# Altium PCB Main_Board.PcbDoc (part 1 of 19) (continued)
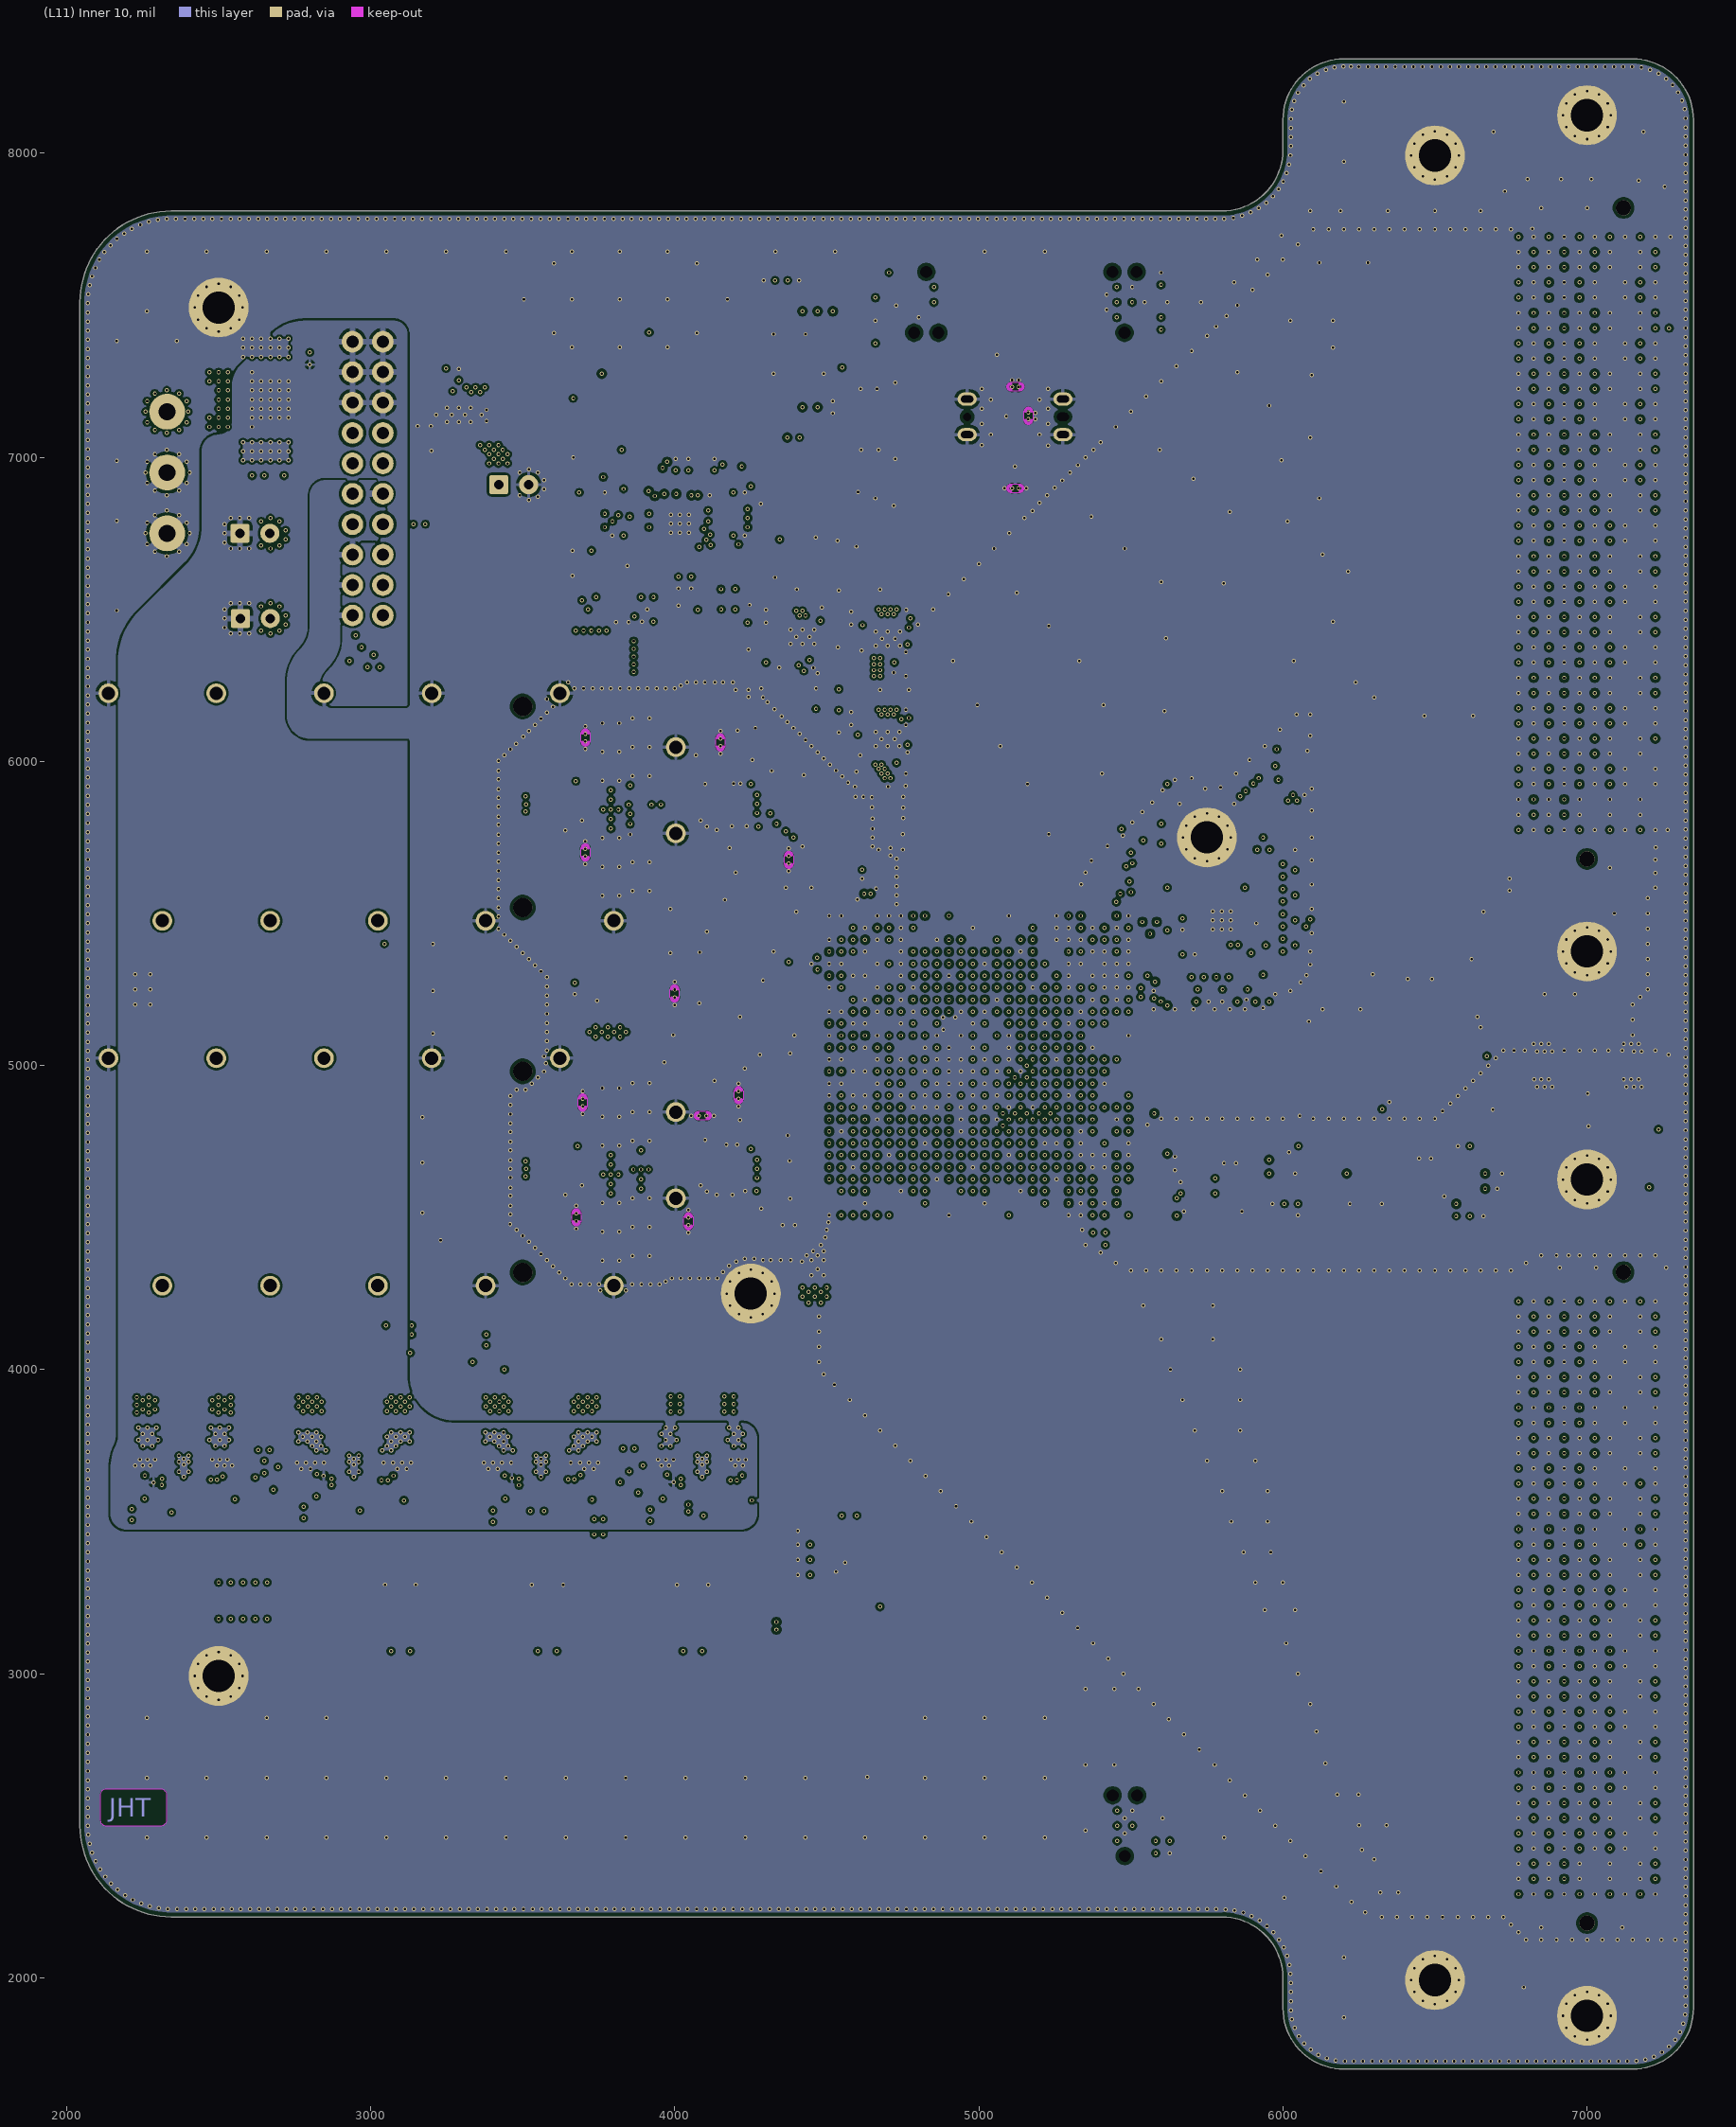
[diagram p11: (L11) Inner 10]

## Layer stack, top to bottom
Top Solder: solder mask 0.492, SM-001, Dk 3.8
(L1) Top: signal copper 1.38
Dielectric 2: prepreg 4.7, 2116 RC57%, Dk 4.25
(L2) Inner 1: signal copper 0.6
Dielectric 4: core 11.81, 0.3mm H/HOZ w/o Cu, Dk 4.56
(L3) Inner 2: signal copper 0.6
Dielectric 5: prepreg 4.4, 2116 RC57%, Dk 4.25
(L4) Inner 3: signal copper 0.6
Dielectric 8: core 11.81, 0.3mm H/HOZ w/o Cu, Dk 4.56
(L5) Inner 4: signal copper 0.6
Dielectric 10: prepreg 4.4, 2116 RC57%, Dk 4.25
(L6) Inner 5: signal copper 0.6
Dielectric 1: core 11.81, 0.3mm H/HOZ w/o Cu, Dk 4.56
(L7) Inner 6: signal copper 0.6
Dielectric 11: prepreg 4.4, 2116 RC57%, Dk 4.25
(L8) Inner 7: signal copper 0.6
Dielectric 9: core 11.81, 0.3mm H/HOZ w/o Cu, Dk 4.56
(L9) Inner 8: signal copper 0.6
Dielectric 6: prepreg 4.4, 2116 RC57%, Dk 4.25
(L10) Inner 9: signal copper 0.6
Dielectric 7: core 11.81, 0.3mm H/HOZ w/o Cu, Dk 4.56
(L11) Inner 10: signal copper 0.6
Dielectric 3: prepreg 4.7, 2116 RC57%, Dk 4.25
(L12) Bottom: signal copper 1.38
Bottom Solder: solder mask 0.492, SM-001, Dk 3.8

## Board outline
2344,2200 cw(c2344,2500) 2044,2500 2044,4213 2044,7510 cw(c2344,7510) 2344,7810 5800,7810 ccw(c5800,8010) 6000,8010 6000,8110 cw(c6200,8110) 6200,8310 7150,8310 cw(c7150,8110) 7350,8110 7350,1900 cw(c7150,1900) 7150,1700 6200,1700 cw(c6200,1900) 6000,1900 6000,2000 ccw(c5800,2000) 5800,2200

## Design rules (kind name [scope] priority, off if disabled: settings)
BoardOutlineClearance [All] p1: gap=15 ignorepadtopadclearanceinfootprint=FALSE
Clearance Clearance_Keepout [IsKeepOut] p1: gap=0 ignorepadtopadclearanceinfootprint=TRUE
Clearance GND-Signal_Clearance [InNet('GND') vs (InDifferentialPairClass('All Differential Pairs')) OR (InNetClass('SE50_FGPA_FLASH')) OR (InNetClass('SE50_GENERAL')) OR (InNetClass('SE50_HPCC_A')) OR (InNetClass('SE50_HPCC_B')) OR (InNetClass('SE50_RP2040_FLASH'))] p2: gap=17.5 ignorepadtopadclearanceinfootprint=TRUE except(3.5: Arc-Arc Arc-Track Arc-SMDPad Arc-Via Track-Track Track-SMDPad Track-Via SMDPad-SMDPad; 4: SMDPad-Via; 5: Via-Via; 6: Arc-THPad Track-THPad SMDPad-THPad THPad-THPad THPad-Via THPad-Text Via-Text Fill-Text Poly-Text Region-Text; 7.25: Arc-Hole Track-Hole SMDPad-Hole THPad-Hole Via-Hole Fill-Hole Poly-Hole Region-Hole; 10: Arc-Text Track-Text SMDPad-Text THPad-Fill THPad-Poly THPad-Region Via-Fill Via-Poly Via-Region Text-Text Text-Hole)
Clearance Default_Clearance [NOT InNetClass('POWER')] p3: gap=10 ignorepadtopadclearanceinfootprint=TRUE except(3.5: Arc-Arc Arc-Track Arc-SMDPad Arc-Via Track-Track Track-SMDPad Track-Via SMDPad-SMDPad; 4: SMDPad-Via; 5: Arc-Fill Arc-Poly Arc-Region Track-Fill Track-Poly Track-Region Via-Via; 5.5: Fill-Fill Fill-Poly Fill-Region Poly-Poly Poly-Region Region-Region; 7.5: SMDPad-Fill SMDPad-Poly SMDPad-Region; 8: Via-Fill Via-Poly Via-Region)
Clearance Power_Clearance [InNetClass('POWER')] p4: gap=7.25 ignorepadtopadclearanceinfootprint=TRUE except(3.5: Arc-Arc Arc-Track Arc-SMDPad Arc-Via Track-Track Track-SMDPad Track-Via SMDPad-SMDPad; 4: SMDPad-Via; 5: Via-Via; 6: Arc-THPad Track-THPad SMDPad-THPad THPad-THPad THPad-Via THPad-Text Via-Text Fill-Text Poly-Text Region-Text; 10: Arc-Text Track-Text SMDPad-Text Text-Text Text-Hole)
ComponentClearance [All] p1: gap=5 collisioncheckmode=3 verticalgap=0 showdistances=FALSE
DiffPairsRouting DiffPairs_QSFP [InDifferentialPairClass('DP100_QSFP')] p1: maxlimit=6 minlimit=3.85 mostfreqgap=10 toplayer_prefgap=4.05 toplayer_minwidth=3.5 toplayer_maxwidth=3.5 toplayer_prefwidth=3.5 midlayer2_mingap=4 midlayer2_prefgap=5.3 midlayer2_minwidth=3.5 midlayer2_maxwidth=3.5 midlayer2_prefwidth=3.5 midlayer7_mingap=4 midlayer7_prefgap=5.3 midlayer7_minwidth=3.5 midlayer7_maxwidth=3.5 midlayer7_prefwidth=3.5 midlayer9_mingap=4 midlayer9_prefgap=5.3 midlayer9_minwidth=3.5 midlayer9_maxwidth=3.5 midlayer9_prefwidth=3.5 bottomlayer_mingap=4 bottomlayer_prefgap=4.05 bottomlayer_minwidth=3.5 bottomlayer_maxwidth=3.5 bottomlayer_prefwidth=3.5 impedanceprofiledriven=TRUE impedanceprofileid={F7B16065-95D5-49FC-8805-E6B6F44BF387} impedanceprofilevalue=100.000000 maxuncoupledlength=50
DiffPairsRouting DiffPairs_HPCC_A [InDifferentialPairClass('DP100_HPCC_A')] p2: maxlimit=6 minlimit=3.85 mostfreqgap=10 toplayer_prefgap=4.05 toplayer_minwidth=3.5 toplayer_maxwidth=3.5 toplayer_prefwidth=3.5 midlayer2_prefgap=5.3 midlayer2_minwidth=3.5 midlayer2_maxwidth=3.5 midlayer2_prefwidth=3.5 midlayer7_prefgap=5.3 midlayer7_minwidth=3.5 midlayer7_maxwidth=3.5 midlayer7_prefwidth=3.5 midlayer9_prefgap=5.3 midlayer9_minwidth=3.5 midlayer9_maxwidth=3.5 midlayer9_prefwidth=3.5 bottomlayer_prefgap=4.05 bottomlayer_minwidth=3.5 bottomlayer_maxwidth=3.5 bottomlayer_prefwidth=3.5 impedanceprofiledriven=TRUE impedanceprofileid={F7B16065-95D5-49FC-8805-E6B6F44BF387} impedanceprofilevalue=100.000000 maxuncoupledlength=150
DiffPairsRouting DiffPairs_HPCC_B [InDifferentialPairClass('DP100_HPCC_B')] p3: maxlimit=6 minlimit=3.85 mostfreqgap=10 toplayer_prefgap=4.05 toplayer_minwidth=3.5 toplayer_maxwidth=3.5 toplayer_prefwidth=3.5 midlayer2_prefgap=5.3 midlayer2_minwidth=3.5 midlayer2_maxwidth=3.5 midlayer2_prefwidth=3.5 midlayer7_prefgap=5.3 midlayer7_minwidth=3.5 midlayer7_maxwidth=3.5 midlayer7_prefwidth=3.5 midlayer9_prefgap=5.3 midlayer9_minwidth=3.5 midlayer9_maxwidth=3.5 midlayer9_prefwidth=3.5 bottomlayer_prefgap=4.05 bottomlayer_minwidth=3.5 bottomlayer_maxwidth=3.5 bottomlayer_prefwidth=3.5 impedanceprofiledriven=TRUE impedanceprofileid={F7B16065-95D5-49FC-8805-E6B6F44BF387} impedanceprofilevalue=100.000000 maxuncoupledlength=150
DiffPairsRouting DiffPairs_PMIC_VSEN [InDifferentialPairClass('DP_PMIC_SENSE')] p4: maxlimit=8 minlimit=3.85 mostfreqgap=5.3 toplayer_prefgap=4.05 toplayer_minwidth=3.5 toplayer_maxwidth=6 toplayer_prefwidth=3.5 midlayer1_minwidth=3.5 midlayer1_maxwidth=6 midlayer1_prefwidth=3.5 midlayer2_minwidth=3.5 midlayer2_maxwidth=6 midlayer2_prefwidth=3.5 midlayer3_minwidth=3.5 midlayer3_maxwidth=6 midlayer3_prefwidth=3.5 midlayer4_minwidth=3.5 midlayer4_maxwidth=6 midlayer4_prefwidth=3.5 midlayer5_minwidth=3.5 midlayer5_maxwidth=6 midlayer5_prefwidth=3.5 midlayer6_minwidth=3.5 midlayer6_maxwidth=6 midlayer6_prefwidth=3.5 midlayer7_minwidth=3.5 midlayer7_maxwidth=6 midlayer7_prefwidth=3.5 midlayer8_minwidth=3.5 midlayer8_maxwidth=6 midlayer8_prefwidth=3.5 midlayer9_minwidth=3.5 midlayer9_maxwidth=6 midlayer9_prefwidth=3.5 midlayer10_minwidth=3.5 midlayer10_maxwidth=6 midlayer10_prefwidth=3.5 bottomlayer_prefgap=4.05 bottomlayer_minwidth=3.5 bottomlayer_maxwidth=6 bottomlayer_prefwidth=3.5 maxuncoupledlength=250
DiffPairsRouting DiffPairs_Gen [InDifferentialPairClass('DP100_GENERAL')] p5: maxlimit=6 minlimit=3.85 mostfreqgap=10 toplayer_prefgap=4.05 toplayer_minwidth=3.5 toplayer_maxwidth=3.5 toplayer_prefwidth=3.5 midlayer2_prefgap=5.3 midlayer2_minwidth=3.5 midlayer2_maxwidth=3.5 midlayer2_prefwidth=3.5 midlayer7_prefgap=5.3 midlayer7_minwidth=3.5 midlayer7_maxwidth=3.5 midlayer7_prefwidth=3.5 midlayer9_prefgap=5.3 midlayer9_minwidth=3.5 midlayer9_maxwidth=3.5 midlayer9_prefwidth=3.5 bottomlayer_prefgap=4.05 bottomlayer_minwidth=3.5 bottomlayer_maxwidth=3.5 bottomlayer_prefwidth=3.5 impedanceprofiledriven=TRUE impedanceprofileid={F7B16065-95D5-49FC-8805-E6B6F44BF387} impedanceprofilevalue=100.000000 maxuncoupledlength=100
DiffPairsRouting DiffPairs_USB [InDifferentialPairClass('DP90_USB')] p6: maxlimit=6 minlimit=3.85 mostfreqgap=10 toplayer_prefgap=4 toplayer_minwidth=3.5 toplayer_maxwidth=5 toplayer_prefwidth=4.85 midlayer2_prefgap=4 midlayer2_minwidth=3.5 midlayer2_maxwidth=5 midlayer2_prefwidth=3.95 midlayer7_prefgap=4 midlayer7_minwidth=3.5 midlayer7_maxwidth=5 midlayer7_prefwidth=3.95 midlayer9_prefgap=4 midlayer9_minwidth=3.5 midlayer9_maxwidth=5 midlayer9_prefwidth=3.95 bottomlayer_prefgap=4 bottomlayer_minwidth=3.5 bottomlayer_maxwidth=5 bottomlayer_prefwidth=4.85 impedanceprofiledriven=TRUE impedanceprofileid={6C45FA07-7C1A-4BA8-8BEC-E0F18B5AC5B5} impedanceprofilevalue=90.000000 maxuncoupledlength=100
FanoutControl Fanout_BGA [IsBGA] p1: bgadir=Out bgaviamode=Centered fanoutstyle=UnderPads fanoutdirection=Alternating viagrid=1 // Fanout_BGA (Default Rule)
FanoutControl Fanout_LCC [IsLCC] p2: bgadir=Out bgaviamode=Centered fanoutstyle=UnderPads fanoutdirection=Alternating viagrid=1 // Fanout_LCC (Default Rule)
FanoutControl Fanout_SOIC [IsSOIC] p3: bgadir=Out bgaviamode=Centered fanoutstyle=UnderPads fanoutdirection=Alternating viagrid=1 // Fanout_SOIC (Default Rule)
FanoutControl Fanout_Small [(CompPinCount < 5)] p4: bgadir=Out bgaviamode=Centered fanoutstyle=UnderPads fanoutdirection=OutThenIn viagrid=1 // Fanout_Small (Default Rule)
FanoutControl Fanout_Default [All] p5: bgadir=Out bgaviamode=Centered fanoutstyle=UnderPads fanoutdirection=Alternating viagrid=1 // Fanout_Default (Default Rule)
Height [All] p1: minheight=0 maxheight=3000 prefheight=500
HoleSize [All] p1: absolutevalues=TRUE maxlimit=150 minlimit=1 maxpercent=80.000 minpercent=20.000
MatchedLengths MatchedLengths_USB [InDifferentialPairClass('DP90_USB')] p1: tolerance=1000 checknetsindiffpair=TRUE checkdiffpairvsdiffpair=FALSE checkxsignals=FALSE checkothers=FALSE usedelayunits=TRUE delaytolerance=10.000000
MatchedLengths MatchedLengths_HPCC_A [InDifferentialPairClass('DP100_HPCC_A')] p2: tolerance=1000 checknetsindiffpair=FALSE checkdiffpairvsdiffpair=TRUE checkxsignals=TRUE checkothers=TRUE usedelayunits=TRUE delaytolerance=60.000000
MatchedLengths MatchedLengths_HPCC_B [InDifferentialPairClass('DP100_HPCC_B')] p3: tolerance=1000 checknetsindiffpair=FALSE checkdiffpairvsdiffpair=TRUE checkxsignals=TRUE checkothers=TRUE usedelayunits=TRUE delaytolerance=60.000000
MatchedLengths MatchedLengths_QSFPs [InDifferentialPairClass('DP100_QSFP')] p4: tolerance=1000 checknetsindiffpair=FALSE checkdiffpairvsdiffpair=TRUE checkxsignals=TRUE checkothers=TRUE usedelayunits=TRUE delaytolerance=40.000000
MinimumSolderMaskSliver [All] p1: minsoldermaskwidth=3.15
PasteMaskExpansion PasteMaskExpansion_BGA [InComponent('U16')] p1: expansion=0 percent=-55.000000
PasteMaskExpansion [NOT(InComponent('U16'))] p2: expansion=0 percent=-35.000000
PolygonConnect PolygonConnect_GND [InNet('GND')] p1: thpad.connectstyle=Relief thpad.reliefconductorwidth=12 thpad.reliefentries=4 thpad.polygonreliefangle="90 Angle" thpad.airgapwidth=10 smdpad.connectstyle=Relief smdpad.reliefconductorwidth=10 smdpad.reliefentries=4 smdpad.polygonreliefangle="90 Angle" smdpad.airgapwidth=10 via.connectstyle=Direct via.reliefconductorwidth=10 via.reliefentries=4 via.polygonreliefangle="90 Angle" via.airgapwidth=10
PolygonConnect [All] p2: connectstyle=Relief reliefconductorwidth=10 reliefentries=4 polygonreliefangle="90 Angle" airgapwidth=10
RoutingCorners [All] p1: cornerstyle=Round minsetback=100 maxsetback=100
RoutingVias [All] p1: holewidth=7.87 width=13.78 viastyle="Through Hole" minholewidth=7.87 minwidth=13.78 maxholewidth=20 maxwidth=35
SilkToSilkClearance [All] p1: silktosilkclearance=6.02
SilkToSolderMaskClearance [IsPad] p1: minsilkscreentomaskgap=3.5 clearancetoexposedcopper=TRUE
SolderMaskExpansion [All] p1: expansion=0 istentingtop=FALSE
ViasUnderSMD [All] p1: allowed=TRUE
Width [NOT(InNetClass('SE50_FGPA_FLASH') OR InNetClass('SE50_GENERAL') OR InNetClass('SE50_HPCC_A') OR InNetClass('SE50_HPCC_B') OR InNetClass('SE50_RP2040_FLASH'))] p1: maxlimit=8 minlimit=4 preferedwidth=5
Width Width_POWER [InNetClass('POWER')] p2: maxlimit=50 minlimit=8 preferedwidth=10
Width Width_FPGA_FLASH [InNetClass('SE50_FGPA_FLASH')] p3: maxlimit=50 minlimit=5 preferedwidth=10 toplayer_minwidth=7 toplayer_maxwidth=7 toplayer_prefwidth=7 midlayer2_maxwidth=5 midlayer2_prefwidth=5 midlayer4_maxwidth=5 midlayer4_prefwidth=5 midlayer5_maxwidth=5 midlayer5_prefwidth=5 midlayer7_maxwidth=5 midlayer7_prefwidth=5 midlayer9_maxwidth=5 midlayer9_prefwidth=5 bottomlayer_minwidth=7 bottomlayer_maxwidth=7 bottomlayer_prefwidth=7 impedanceprofiledriven=TRUE impedanceprofileid={392D9AE9-90C8-4474-8628-508B7C4A8647} impedanceprofilevalue=50.000000 minimp=50.000000 maximp=50.000000 favimp=50.000000
Width Width_SE_GEN [InNetClass('SE50_GENERAL')] p4: maxlimit=50 minlimit=5 preferedwidth=10 toplayer_minwidth=7 toplayer_maxwidth=7 toplayer_prefwidth=7 midlayer2_maxwidth=5 midlayer2_prefwidth=5 midlayer4_maxwidth=5 midlayer4_prefwidth=5 midlayer5_maxwidth=5 midlayer5_prefwidth=5 midlayer7_maxwidth=5 midlayer7_prefwidth=5 midlayer9_maxwidth=5 midlayer9_prefwidth=5 bottomlayer_minwidth=7 bottomlayer_maxwidth=7 bottomlayer_prefwidth=7 impedanceprofiledriven=TRUE impedanceprofileid={392D9AE9-90C8-4474-8628-508B7C4A8647} impedanceprofilevalue=50.000000 minimp=50.000000 maximp=50.000000 favimp=50.000000
Width Width_HPCCA [InNetClass('SE50_HPCC_A')] p5: maxlimit=50 minlimit=5 preferedwidth=10 toplayer_minwidth=7 toplayer_maxwidth=7 toplayer_prefwidth=7 midlayer2_maxwidth=5 midlayer2_prefwidth=5 midlayer4_maxwidth=5 midlayer4_prefwidth=5 midlayer5_maxwidth=5 midlayer5_prefwidth=5 midlayer7_maxwidth=5 midlayer7_prefwidth=5 midlayer9_maxwidth=5 midlayer9_prefwidth=5 bottomlayer_minwidth=7 bottomlayer_maxwidth=7 bottomlayer_prefwidth=7 impedanceprofiledriven=TRUE impedanceprofileid={392D9AE9-90C8-4474-8628-508B7C4A8647} impedanceprofilevalue=50.000000 minimp=50.000000 maximp=50.000000 favimp=50.000000
Width Width_HPCCB [InNetClass('SE50_HPCC_B')] p6: maxlimit=50 minlimit=5 preferedwidth=10 toplayer_minwidth=7 toplayer_maxwidth=7 toplayer_prefwidth=7 midlayer2_maxwidth=5 midlayer2_prefwidth=5 midlayer4_maxwidth=5 midlayer4_prefwidth=5 midlayer5_maxwidth=5 midlayer5_prefwidth=5 midlayer7_maxwidth=5 midlayer7_prefwidth=5 midlayer9_maxwidth=5 midlayer9_prefwidth=5 bottomlayer_minwidth=7 bottomlayer_maxwidth=7 bottomlayer_prefwidth=7 impedanceprofiledriven=TRUE impedanceprofileid={392D9AE9-90C8-4474-8628-508B7C4A8647} impedanceprofilevalue=50.000000 minimp=50.000000 maximp=50.000000 favimp=50.000000
Width Width_RP2040_FL [InNetClass('SE50_RP2040_FLASH')] p7: maxlimit=50 minlimit=5 preferedwidth=10 toplayer_minwidth=7 toplayer_maxwidth=7 toplayer_prefwidth=7 midlayer2_maxwidth=5 midlayer2_prefwidth=5 midlayer4_maxwidth=5 midlayer4_prefwidth=5 midlayer5_maxwidth=5 midlayer5_prefwidth=5 midlayer7_maxwidth=5 midlayer7_prefwidth=5 midlayer9_maxwidth=5 midlayer9_prefwidth=5 bottomlayer_minwidth=7 bottomlayer_maxwidth=7 bottomlayer_prefwidth=7 impedanceprofiledriven=TRUE impedanceprofileid={392D9AE9-90C8-4474-8628-508B7C4A8647} impedanceprofilevalue=50.000000 minimp=50.000000 maximp=50.000000 favimp=50.000000
16 further rules are at their usual default settings.

## Classes and differential pairs
differential pair class DP_PMIC_SENSE: VSEN_1V0 VSEN_1V8 VSEN_2V5 VSEN_3V3
differential pair class DP100_QSFP: QSFP_A_RX1 QSFP_A_RX2 QSFP_A_RX3 QSFP_A_RX4 QSFP_A_TX1 QSFP_A_TX2 QSFP_A_TX3 QSFP_A_TX4 QSFP_B_RX1 QSFP_B_RX2 QSFP_B_RX3 QSFP_B_RX4 QSFP_B_TX1 QSFP_B_TX2 QSFP_B_TX3 QSFP_B_TX4
differential pair class DP100_HPCC_B: HPCC_B_01 HPCC_B_02 HPCC_B_03 HPCC_B_04 HPCC_B_05 HPCC_B_06 HPCC_B_07 HPCC_B_08 HPCC_B_09 HPCC_B_10 HPCC_B_11 HPCC_B_12 HPCC_B_13 HPCC_B_14 HPCC_B_15 HPCC_B_16 HPCC_B_17 HPCC_B_18 HPCC_B_19 HPCC_B_20 HPCC_B_21 HPCC_B_22 HPCC_B_23 HPCC_B_24 HPCC_B_25 HPCC_B_26 HPCC_B_27 HPCC_B_28 HPCC_B_29 HPCC_B_30 HPCC_B_31 HPCC_B_32 HPCC_B_33 HPCC_B_34 HPCC_B_35 HPCC_B_36 HPCC_B_37 HPCC_B_38 HPCC_B_39 HPCC_B_40 HPCC_B_41 HPCC_B_42 HPCC_B_43 HPCC_B_44 HPCC_B_45 HPCC_B_46 HPCC_B_47 HPCC_B_48 HPCC_B_49 HPCC_B_50 HPCC_B_51 HPCC_B_52 HPCC_B_53 HPCC_B_54 HPCC_B_55 HPCC_B_56 HPCC_B_57 HPCC_B_58 HPCC_B_59 HPCC_B_60 HPCC_B_61 HPCC_B_62 HPCC_B_63 HPCC_B_64 HPCC_B_65 HPCC_B_66 HPCC_B_67 HPCC_B_68 HPCC_B_69 HPCC_B_70 HPCC_B_71 HPCC_B_72
differential pair class DP100_HPCC_A: HPCC_A_01 HPCC_A_02 HPCC_A_03 HPCC_A_04 HPCC_A_05 HPCC_A_06 HPCC_A_07 HPCC_A_08 HPCC_A_09 HPCC_A_10 HPCC_A_11 HPCC_A_12 HPCC_A_13 HPCC_A_14 HPCC_A_15 HPCC_A_16 HPCC_A_17 HPCC_A_18 HPCC_A_19 HPCC_A_20 HPCC_A_21 HPCC_A_22 HPCC_A_23 HPCC_A_24 HPCC_A_25 HPCC_A_26 HPCC_A_27 HPCC_A_28 HPCC_A_29 HPCC_A_30 HPCC_A_31 HPCC_A_32 HPCC_A_33 HPCC_A_34 HPCC_A_35 HPCC_A_36 HPCC_A_37 HPCC_A_38 HPCC_A_39 HPCC_A_40 HPCC_A_41 HPCC_A_42 HPCC_A_43 HPCC_A_44 HPCC_A_45 HPCC_A_46 HPCC_A_47 HPCC_A_48 HPCC_A_49 HPCC_A_50 HPCC_A_51 HPCC_A_52 HPCC_A_53 HPCC_A_54 HPCC_A_55 HPCC_A_56 HPCC_A_57 HPCC_A_58 HPCC_A_59 HPCC_A_60 HPCC_A_61 HPCC_A_62 HPCC_A_63 HPCC_A_64 HPCC_A_65 HPCC_A_66 HPCC_A_67 HPCC_A_68 HPCC_A_69 HPCC_A_70 HPCC_A_71 HPCC_A_72
differential pair class DP100_GENERAL: FPGA_CK200 GTX_CAL GTX_REFCLK GTX_REFCLK_DC
differential pair class DP90_USB: RP2040_USB USB
net class SE50_RP2040_FLASH: RP2040_SPI_C\S\ RP2040_SPI_CLK RP2040_SPI_D0 RP2040_SPI_D1 RP2040_SPI_D2 RP2040_SPI_D3
net class SE50_HPCC_B: HPCC_B_GP01 HPCC_B_GP02 HPCC_B_GP03 HPCC_B_GP04 HPCC_B_GP05 HPCC_B_GP06 HPCC_B_GP07 HPCC_B_GP08 HPCC_B_GP09 HPCC_B_GP10 HPCC_B_GP11 HPCC_B_GP12 HPCC_B_GP13 HPCC_B_GP14 HPCC_B_GP15 HPCC_B_GP16 HPCC_B_GP17 HPCC_B_GP18 HPCC_B_GP19 HPCC_B_GP20
net class SE50_HPCC_A: HPCC_A_GP01 HPCC_A_GP02 HPCC_A_GP03 HPCC_A_GP04 HPCC_A_GP05 HPCC_A_GP06 HPCC_A_GP07 HPCC_A_GP08 HPCC_A_GP09 HPCC_A_GP10 HPCC_A_GP11 HPCC_A_GP12 HPCC_A_GP13 HPCC_A_GP14 HPCC_A_GP15 HPCC_A_GP16 HPCC_A_GP17 HPCC_A_GP18 HPCC_A_GP19 HPCC_A_GP20
net class SE50_GENERAL: NetA2_2 NetA2_3 NetA2_5 NetA2_7 PROG_OSC_OUT RP2040_ECLK
net class SE50_FGPA_FLASH: FLASH_FPGA_C FLASH_FPGA_DQ0 FLASH_FPGA_DQ1 FLASH_FPGA_DQ2 FLASH_FPGA_DQ3 FLASH_FPGA_S\
net class POWER: 1V0 1V0_GTX 1V2_GTX 1V8 1V8_GTX 2V5 3V3 3V3AUX 5V0 5V0_UNPROT GND QSFP_A_VCCA1 QSFP_A_VCCRX QSFP_A_VCCTX QSFP_B_VCCA1 QSFP_B_VCCRX QSFP_B_VCCTX
component class QSFP_Connectors: C24 C25 C26 C27 C28 C29 C30 C31 C32 C33 C34 C35 C36 C37 C38 C39 J4 J5 L1 L2 L3 L4 L5 L6 R56 R57 R58 R59 R60 R61
component class Power_Input_Indicators: C16 C17 C18 D1 D2 D3 D4 J2 J3 R21 R22 R23 R24 R25 R26 R27 R28 R29 R30 R31 R32 R33 R34 R35 R36 TJ1 TJ2
component class PMIC_GTXs: C84 C85 C86 C87 C88 C89 C90 C91 C92 C93 C94 C95 C96 C97 C98 C99 C100 C101 R107 R108 R109 R110 R111 R112 R113 R114 R115 R116 U13 U14 U15
component class PMIC_3V3: C69 C70 C71 C72 C73 C74 C75 C76 C77 L10 NT7 NT8 R99 R100 R101 R102 R103 U11
component class PMIC_3V3AUX_PWR-DEF: C78 C79 C80 C81 C82 C83 R104 R105 R106 U12
component class PMIC_2V5: C58 C59 C60 C61 C62 C63 C64 C65 C66 C67 C68 L9 NT5 NT6 R92 R93 R94 R95 R96 R97 R98 U10
component class PMIC_1V8: C49 C50 C51 C52 C53 C54 C55 C56 C57 L8 NT3 NT4 R86 R87 R88 R89 R90 R91 U9
component class PMIC_1V0: C40 C41 C42 C43 C44 C45 C46 C47 C48 L7 NT1 NT2 R80 R81 R82 R83 R84 R85 U8
component class Miscellaneous_Functions: C123 C124 J8 J9 J10 J11 J12 MH1 MH2 MH3 MH4 MH5 MH6 MH7 MH8 MH9 MH10 R131 R132 R133 R134 R135 R136 R137 R138 R139 SW3 U18
component class Management_RP2040: C1 C2 C3 C4 C5 C6 C7 C8 C9 C10 C11 C12 R1 R2 R3 R4 R5 R6 R7 R8 R9 R10 R11 R12 R13 R14 TP1 TP2 TP3 TP4 TP5 U1
component class Management_RP2040_Support: A1 C13 C14 C15 J1 R15 R16 R17 R18 R19 R20 SW1 SW2 U2 X1
component class I2C_Temperature_Sensors: C21 C22 C23 U5 U6 U7
component class I2C_Switch_EEPROM: C19 C20 R37 R38 R39 R40 R41 R42 R43 R44 R45 R46 R47 R48 R49 R50 R51 R52 R53 R54 R55 TP6 TP7 TP8 U3 U4
component class HPCC_Connector_B: J7 R71 R72 R73 R74 R75 R76 R77 R78 R79
component class HPCC_Connector_A: J6 R62 R63 R64 R65 R66 R67 R68 R69 R70
component class FPGA_Power: C102 C103 C104 C105 C106 C107 C108 C109 C110 C111 C112 C113 C114 C115 C116 C117 C118
component class FPGA_HPCC_A_DPs: R119 R120
component class FPGA_GTXs: C119 C120 C121 NT9 R121 U17
component class Flash_FPGA: A2 C122 R122 R123 R124 R125 R126 R127 R128 R129 R130
component class FGPA_Configuration: R117 R118 TP9 TP10 TP11 TP12 U16
differential pair VSEN_3V3: +VSEN_3V3_P -VSEN_3V3_N
differential pair VSEN_2V5: +VSEN_2V5_P -VSEN_2V5_N
differential pair VSEN_1V8: +VSEN_1V8_P -VSEN_1V8_N
differential pair VSEN_1V0: +VSEN_1V0_P -VSEN_1V0_N
differential pair USB: +USB_P -USB_N
differential pair RP2040_USB: +RP2040_USB_P -RP2040_USB_N
differential pair QSFP_B_TX4: +QSFP_B_TX4_P -QSFP_B_TX4_N
differential pair QSFP_B_TX3: +QSFP_B_TX3_P -QSFP_B_TX3_N
differential pair QSFP_B_TX2: +QSFP_B_TX2_P -QSFP_B_TX2_N
differential pair QSFP_B_TX1: +QSFP_B_TX1_P -QSFP_B_TX1_N
differential pair QSFP_B_RX4: +QSFP_B_RX4_P -QSFP_B_RX4_N
differential pair QSFP_B_RX3: +QSFP_B_RX3_P -QSFP_B_RX3_N
differential pair QSFP_B_RX2: +QSFP_B_RX2_P -QSFP_B_RX2_N
differential pair QSFP_B_RX1: +QSFP_B_RX1_P -QSFP_B_RX1_N
differential pair QSFP_A_TX4: +QSFP_A_TX4_P -QSFP_A_TX4_N
differential pair QSFP_A_TX3: +QSFP_A_TX3_P -QSFP_A_TX3_N
differential pair QSFP_A_TX2: +QSFP_A_TX2_P -QSFP_A_TX2_N
differential pair QSFP_A_TX1: +QSFP_A_TX1_P -QSFP_A_TX1_N
differential pair QSFP_A_RX4: +QSFP_A_RX4_P -QSFP_A_RX4_N
differential pair QSFP_A_RX3: +QSFP_A_RX3_P -QSFP_A_RX3_N
differential pair QSFP_A_RX2: +QSFP_A_RX2_P -QSFP_A_RX2_N
differential pair QSFP_A_RX1: +QSFP_A_RX1_P -QSFP_A_RX1_N